# KiCad board brew-keeb.kicad_pcb (continued)
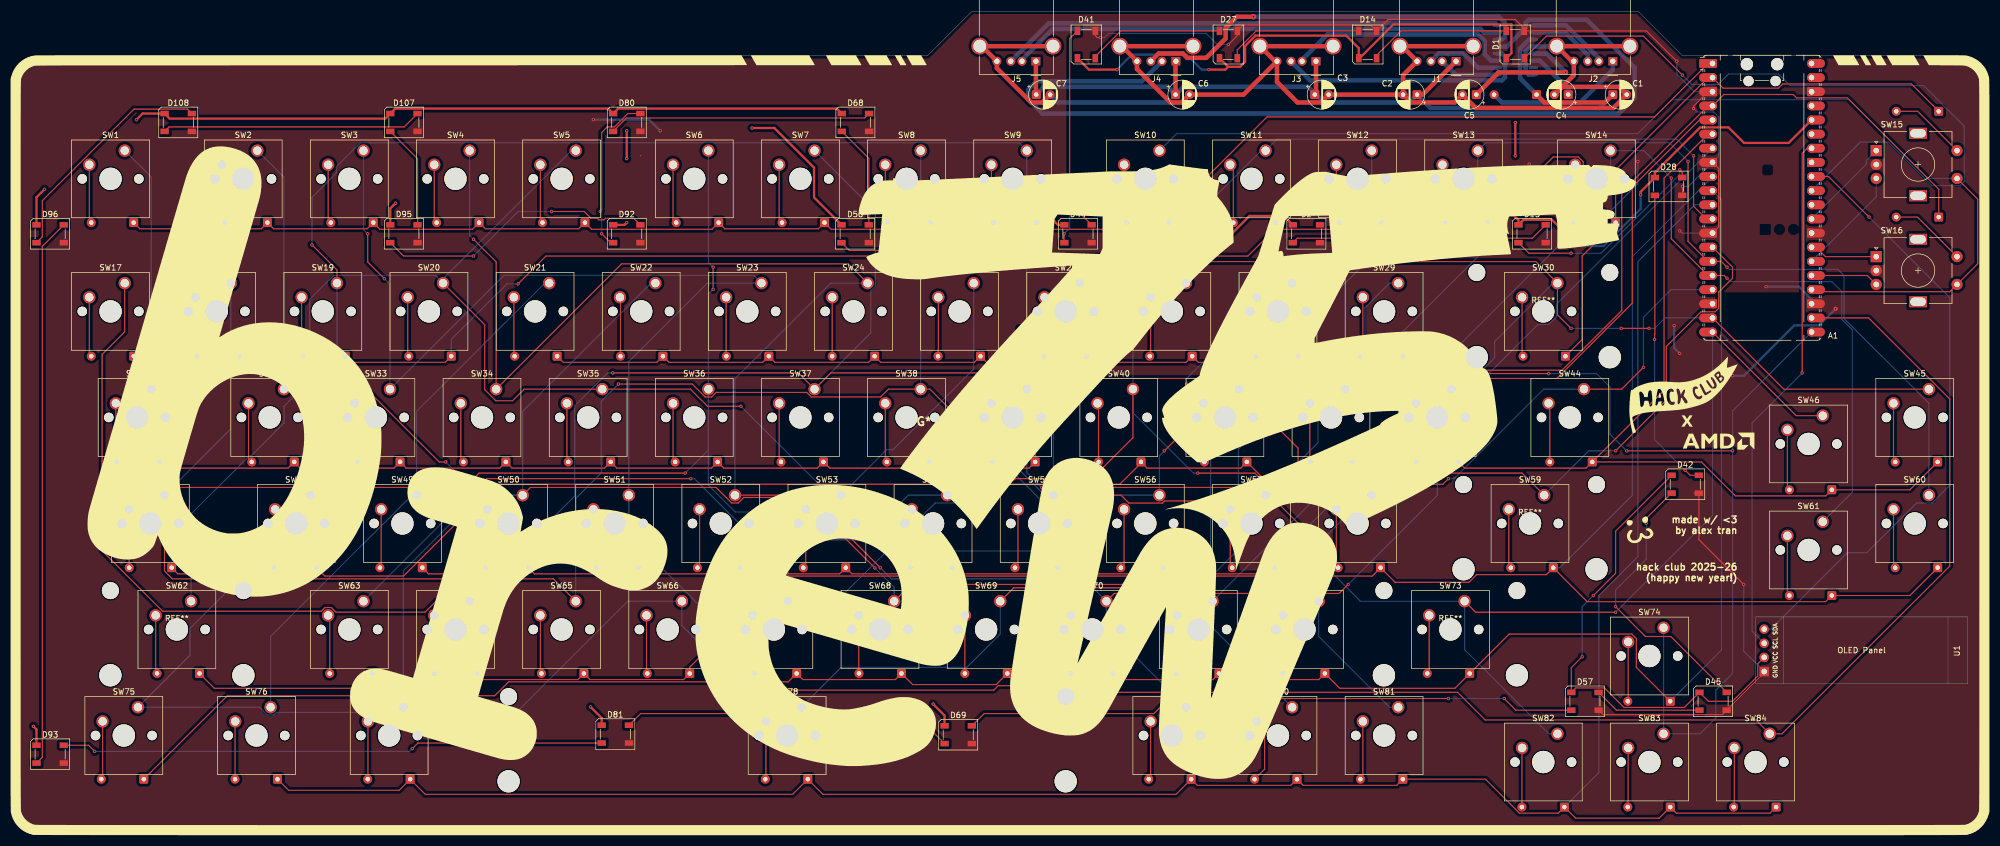
[diagram p0: board, top side]
## Nets (continued)
ROW 9: A1.11 D110.1 D111.1 D112.1 D113.1 D114.1 D115.1 D116.1 D117.1 D118.1
SCL: A1.34 U1.3
SDA: A1.32 U1.4
Net-(D1-DOUT): D1.4 D14.2
Net-(D4-A): D4.2 SW1.2
Net-(D5-A): D5.2 SW2.2
Net-(D6-A): D6.2 SW3.2
Net-(D7-A): D7.2 SW4.2
Net-(D8-A): D8.2 SW5.2
Net-(D9-A): D9.2 SW6.2
Net-(D10-A): D10.2 SW7.2
Net-(D11-A): D11.2 SW8.2
Net-(D12-A): D12.2 SW9.2
Net-(D13-A): D13.2 SW10.2
Net-(D14-DOUT): D14.4 D27.2
Net-(D15-DIN): D15.2 D28.4
Net-(D15-DOUT): D2.2 D15.4
Net-(D17-A): D17.2 SW11.2
Net-(D18-A): D18.2 SW12.2
Net-(D19-A): D19.2 SW13.2
Net-(D20-A): D20.2 SW14.2
Net-(D21-A): D21.2 SW20.2
Net-(D22-A): D22.2 SW30.2
Net-(D23-A): D23.2 SW17.2
Net-(D24-A): D24.2 SW18.2
Net-(D25-A): D25.2 SW19.2
Net-(D27-DOUT): D27.4 D41.2
Net-(D28-DIN): D28.2 D42.4
Net-(D30-A): D30.2 J2.1
Net-(D31-A): D31.2 SW21.2
Net-(D32-A): D32.2 SW22.2
Net-(D33-A): D33.2 SW23.2
Net-(D34-A): D34.2 SW24.2
Net-(D35-A): D35.2 SW25.2
Net-(D36-A): D36.2 SW26.2
Net-(D37-A): D37.2 SW27.2
Net-(D38-A): D38.2 SW28.2
Net-(D39-A): D39.2 SW29.2
Net-(D41-DOUT): D41.4 D44.2
Net-(D42-DIN): D42.2 D45.4
Net-(D44-DOUT): D44.4 D56.2
Net-(D45-DIN): D45.2 D57.4
Net-(D47-A): D47.2 SW31.2
Net-(D48-A): D48.2 SW32.2
Net-(D49-A): D49.2 SW33.2
Net-(D50-A): D50.2 SW34.2
Net-(D51-A): D51.2 SW35.2
Net-(D52-A): D52.2 SW36.2
Net-(D53-A): D53.2 SW37.2
Net-(D54-A): D54.2 SW38.2
Net-(D55-A): D55.2 SW39.2
Net-(D56-DOUT): D56.4 D68.2
Net-(D57-DIN): D57.2 D69.4
Net-(D59-A): D59.2 SW40.2
Net-(D60-A): D60.2 SW41.2
Net-(D61-A): D61.2 SW42.2
Net-(D62-A): D62.2 SW43.2
Net-(D63-A): D63.2 SW44.2
Net-(D64-A): D64.2 SW45.2
Net-(D65-A): D65.2 SW46.2
Net-(D66-A): D66.2 SW47.2
Net-(D67-A): D67.2 SW48.2
Net-(D68-DOUT): D68.4 D80.2
Net-(D69-DIN): D69.2 D81.4
Net-(D71-A): D71.2 SW49.2
Net-(D72-A): D72.2 SW50.2
Net-(D73-A): D73.2 SW51.2
Net-(D74-A): D74.2 SW52.2
Net-(D75-A): D75.2 SW53.2
Net-(D76-A): D76.2 SW54.2
Net-(D77-A): D77.2 SW55.2
Net-(D78-A): D78.2 SW56.2
Net-(D79-A): D79.2 SW57.2
Net-(D80-DOUT): D80.4 D92.2
Net-(D81-DIN): D81.2 D93.4
Net-(D83-A): D83.2 SW58.2
Net-(D84-A): D84.2 SW59.2
Net-(D85-A): D85.2 SW60.2
Net-(D86-A): D86.2 SW61.2
Net-(D87-A): D87.2 SW62.2
Net-(D88-A): D88.2 SW63.2
Net-(D89-A): D89.2 SW64.2
Net-(D90-A): D90.2 SW65.2
Net-(D91-A): D91.2 SW66.2
Net-(D92-DOUT): D92.4 D95.2
Net-(D93-DIN): D93.2 D96.4
Net-(D98-A): D98.2 SW67.2
Net-(D99-A): D99.2 SW68.2
Net-(D100-A): D100.2 SW69.2
Net-(D101-A): D101.2 SW70.2
Net-(D102-A): D102.2 SW71.2
Net-(D103-A): D103.2 SW72.2
Net-(D104-A): D104.2 SW73.2
Net-(D105-A): D105.2 SW74.2
Net-(D106-A): D106.2 SW75.2
Net-(D107-DIN): D95.4 D107.2
Net-(D107-DOUT): D107.4 D108.2
Net-(D108-DOUT): D96.2 D108.4
Net-(D110-A): D110.2 SW76.2
Net-(D111-A): D111.2 SW77.2
Net-(D112-A): D112.2 SW78.2
Net-(D113-A): D113.2 SW79.2
Net-(D114-A): D114.2 SW80.2
Net-(D115-A): D115.2 SW81.2
Net-(D116-A): D116.2 SW82.2
Net-(D117-A): D117.2 SW83.2
Net-(D118-A): D118.2 SW84.2
Net-(J1-D+): J1.3 U2.2
Net-(J1-D-): J1.2 U2.1
Net-(J3-D+): J3.3 U2.4
Net-(J3-D-): J3.2 U2.3
Net-(J4-D+): J4.3 U2.6
Net-(J4-D-): J4.2 U2.5
Net-(J5-D+): J5.3 U2.8
Net-(J5-D-): J5.2 U2.7
Net-(U2-VDD3): C5.1 U2.13
Net-(U2-VDD18): C4.1 U2.14

Pads without a net: A1 30 33 35 37 39 40; D2 4; SW15 MP; SW16 MP; U2 15

## Via types
v1: diameter 0.6, hole 0.3, Top to Bottom, 114 vias
v2: diameter 0.8, hole 0.3, Top to Bottom, 1 via
v3: diameter 1, hole 0.3, Top to Bottom, 2 vias

## Routing (per net, layer and track width the routed paths; a pad name or vN(x,y) marks a point on that pad's centre or on a via; arc(x,y) is an arc through that point)
+3.3V: length 482.4
  Top w0.2: v1(284,43) 288,47 288,54.55 D42.1 ; U1.2 313.52,30.74 313.52,28.54 308.98,24 304.65,24 D45.1 300.35,22.9 289.5,22.9 286,26.4 280.85,26.4 D57.1 280.05,30.05 v1(282,32)
  Top w0.4: v1(198.5,137.5) 193.45,137.5 D41.1 ; D68.1 148.2,130.5 108.95,130.5 D80.1 107.15,130.5 68.95,130.5 D107.1 67.15,128.7 28.45,128.7 D108.1 23.6,129.6 v1(22.5,128.5) ; v1(280,106.5) 280,107.1 276.6,110.5 271.45,110.5 D15.1 270.55,110.45 v1(269.5,111.5) ; A1.36 319.05,124.32 311.05,124.32 308.27,127.1 303.15,127.1 295.05,119 D28.1 292.5,115.55 v1(292.5,115) ; 218.45,138 217.95,137.5 v1(215,137.5) ; 218.45,138 D27.1 ; 218.45,138 220.6,138 221.5,138.9 221.5,141.75 223.36,143.61 239.64,143.61 241.9,141.35 D14.1 242.05,139.55 248.1,145.6 269.3,145.6 269.3,140.45 D1.1 ; D2.1 228.45,111.2 222.28,111.2 218.08,107 v1(205.5,107) ; D56.1 144.12,114.53 144.12,119.88 137,127 v1(133,127) ; v1(6,116) 4.55,114.55 D96.1 ; v1(187,110.5) 187.9,109.6 D44.1 ; v1(110.5,126.5) v1(110.5,121.5) ; D95.1 68.05,112.55 v1(69,113.5) ; D92.1 110.1,109.6 v1(110.5,110) ; v1(4,19.5) 4.55,18.95 D93.1 ; v1(270,122) v1(270,128) ; D69.1 167.55,21.45 v1(165.5,23.5) ; D81.1 106,21 v1(104,23)
  Bottom w0.2: v1(284,43) 282,41 v1(282,32)
  Bottom w0.4: v1(198.5,137.5) 201.2,140.2 210.97,140.2 213.67,137.5 v1(215,137.5) ; v1(280,106.5) 280.7,105.8 285.83,105.8 292.5,112.47 v1(292.5,115)
+5V: length 164.1
  Top w0.8: J1.1 253.36,133 C2.1 ; C6.1 209,138.92 J4.1 ; C1.1 286.1,131.6 275.21,131.6 D30.1 ; J5.1 183.94,133.06 C7.1 ; 234.22,133 J3.1
  Bottom w0.2: 183.94,133.06 C7.1 ; 209,138.92 J4.1
  Bottom w0.8: C1.1 285.1,130.6 254.76,130.6 C2.1 250.96,131.6 235.62,131.6 232.82,134.4 210.4,134.4 C6.1 207.6,134.4 185.4,134.4 C7.1 ; U2.11 272.49,142.91 270.85,141.26 270.85,135.96 D30.1
GND: length 319.6
  Top w0.2: A1.3 304.59,133.52 302,130.93 v1(302,130.5) ; D41.3 194.6,143.6 194.95,143.25 v1(195.5,143.25) ; D68.3 154.4,126.4 ; v1(299,139) 293.55,144.45 D1.3 271.6,144.9 270,146.5 247.15,146.5 D14.3 244.05,145.5 221.15,145.5 D27.3 220.1,143.6 v1(218.5,142) ; D28.3 300,114.95 v1(300,116.5) ; A1.13 306.5,109.22 306.5,119.72 A1.8 ; v1(311,45) 302.95,53.05 D42.3 302.1,61.4 ; D107.3 73.4,126.4 ; 112.95,122.05 113,122 ; D2.3 235.6,106.4 ; D57.3 285.75,21.6 307.15,21.6 D45.3 314.67,29.12 U1.1
  Bottom w0.2: v1(195.5,143.25) 196.25,143.25 197,144 214.5,144 216.5,142 v1(218.5,142) ; A1.3 302.13,133.52 299,136.65 v1(299,139) ; v1(302,130.5) 302.62,129.88 305.62,129.88 306.5,129 306.5,121.93 A1.8 301.07,116.5 v1(300,116.5) ; A1.13 299.88,108.12 v1(299.5,108.5) ; A1.23 323.18,95.83 ; v1(272.5,120.5) v1(272.5,114) ; v1(281.5,106.5) 292,117 v1(292,121) ; v1(311,45) 311,33.02 U1.1
  Bottom w0.4: v1(299.5,86.5) 298.5,87.5 v1(298.5,91.5) ; v1(315,98.5) 320.9,98.5 323.18,96.23 A1.23 ; v1(309,82.5) 311.04,82.5 320.08,91.54 324.54,91.54 v2(327.5,94.5) ; v1(116.5,126.5) 114.5,128.5 v1(104.5,128.5)
GND1: length 271.3
  Top w0.8: J3.4 227.22,135.28 230.9,131.6 235.1,131.6 C3.2 C2.2 ; J3.4 221.22,133 C6.2 210.1,131.6 208.09,131.6 202.08,137.61 J4.4 199.37,141.71 J4.5 J4.5 ; J3.4 226.86,139 J3.5 J3.5 ; C2.2 249.86,136.5 J1.4 249.65,141.71 J1.5 J1.5 ; C2.2 251.26,131.6 259.1,131.6 C5.2 262.9,130.6 287.6,130.6 C1.2 288.6,134.4 278.4,134.4 C4.2 280.5,136.5 J2.4 280.14,139 J2.5 J2.5 ; J5.5 J5.5 174.23,141.71 J5.4 176.94,137.75 183.09,131.6 185.1,131.6 C7.2
  Bottom w0.2: 280.14,139 J2.4
  Bottom w0.8: C6.2 210.1,131.6 187.9,131.6 C7.2 ; U2.16 272.44,136.56 271.85,137.15 271.85,140.85 272.63,141.63 U2.12 277.36,141.63 J2.5 277.79,141.71
COL 1: length 567.8
  Top w0.2: v1(122,64) 85.36,64 82.39,61.03 SW49.1 71.37,62.43 29.3,62.43 25.15,66.59 SW31.1 ; A1.12 304.26,110.66 302,112.93 v1(302,122) ; SW40.1 201.36,71.36 194,64 v1(180,64) ; SW58.1 227.21,61.03 223.24,65 v1(213,65)
  Bottom w0.2: v1(180,64) 175.63,59.63 165.84,59.63 148.19,41.98 SW67.1 139.45,47.21 122.66,64 v1(122,64) ; SW76.1 46.58,35.68 71.93,61.03 SW49.1 72.77,76.1 95.8,99.13 SW21.1 ; SW1.1 25.15,118.18 SW31.1 ; v1(213,65) 212.2,65 201.36,75.84 SW40.1 201.36,99.91 224.39,122.94 SW11.1 227.23,125 299,125 v1(302,122)
COL 2: length 551
  Top w0.2: SW50.1 93.22,62.43 126.54,62.43 129.34,59.63 130.5,59.63 131.5,60.63 145.8,60.63 149.6,56.83 149.6,53.4 v1(155.03,47.97) ; A1.14 309,101.98 309,100.01 306.5,97.51 306.5,94.61 305.87,93.98 303.34,93.98 297.09,87.74 297.09,78.09 v1(288,69) ; SW32.1 63.77,80.08 76.85,67 v1(78,67) ; SW41.1 231,69.49 v1(231,65) ; SW59.1 271.21,65 243,65 v1(242,64) ; v1(210,45) 161.52,45 SW68.1
  Bottom w0.2: SW50.1 83.97,61.03 v1(78,67) ; SW50.1 91.82,76.1 114.85,99.13 SW22.1 ; SW50.1 84,61.03 70.39,47.42 SW77.1 ; v1(242,64) 232,64 v1(231,65) ; v1(288,69) 283.15,69 SW59.1 ; SW32.1 48.96,118.18 SW2.1 ; SW68.1 158.5,44.5 v1(155.03,47.97) ; SW12.1 244.22,103.89 SW41.1 220.41,74.22 215.29,69.1 215.29,50.29 v1(210,45)
COL 3: length 542.7
  Top w0.2: v1(214,45) 213.4,44.4 179.97,44.4 SW69.1 ; v1(67,99.93) 64,102.93 v1(64,108) ; v1(308,102) 306.96,103.04 A1.15 ; v1(301,121) 301,106.64 A1.15 ; v1(228,77) 231.08,80.08 SW42.1
  Bottom w0.2: SW42.1 263.27,103.89 SW13.1 264.67,124.34 297.66,124.34 v1(301,121) ; v1(308,102) 308.4,101.6 327.9,101.6 329,100.5 329,92.78 344.24,77.55 SW60.1 ; v1(228,77) 220.28,69.28 220.28,51.28 v1(214,45) ; SW3.1 63.25,108.75 v1(64,108) ; SW69.1 177.55,36.12 171.53,30.1 149,30.1 SW78.1 110.87,53.89 SW51.1 110.87,85.05 124.95,99.13 SW23.1 133.28,100.53 88.46,100.53 SW33.1 68.01,98.92 v1(67,99.93)
COL 4: length 519.4
  Top w0.2: v1(308,100) 307.5,100.5 A1.16 ; SW43.1 258.51,72.51 v1(256,70) ; v1(156,48) 150,54 150,57 145.97,61.03 SW52.1 ; A1.16 298,107.1 v1(298,118) ; v1(83,107) 87.06,102.94 SW34.1 109.58,102.6 150.26,102.6 SW24.1 ; SW70.1 198,43.38 238.38,43.38 v1(240,45)
  Bottom w0.2: SW52.1 129.92,81.92 147.13,99.13 SW24.1 ; v1(308,100) 308.6,99.4 326.8,99.4 328.6,97.6 328.6,92.62 330.5,90.72 330.5,61.58 SW61.1 ; SW4.1 82.3,107.7 v1(83,107) ; SW43.1 258.51,86.57 287.08,115.15 SW14.1 293.06,122.94 v1(298,118) ; v1(156,48) 158,46 192.58,46 SW70.1 196.6,37.22 SW79.1 ; v1(256,70) 256,61 v1(240,45)
COL 5: length 485.9
  Top w0.2: v1(160,51) 159,51 SW53.1 ; v1(258,64) 257,63 v1(239,63) ; v1(131,77) 125,77 121.92,80.08 SW35.1 92.08,80.08 90,78 87,78 85,80 85,91.67 SW20.1 ; SW44.1 289.08,80.08 v1(293,84)
  Bottom w0.2: SW44.1 275.08,80.08 259,64 v1(258,64) ; A1.17 297.96,97.96 293,93 v1(293,84) ; SW71.1 215.65,37.22 SW80.1 ; SW71.1 236.67,63 v1(239,63) ; SW71.1 213.23,44.4 195.51,44.4 188.91,51 v1(160,51) ; v1(131,77) 146.97,61.03 SW53.1 157.13,69.19 158.29,69.19 172.78,83.68 SW25.1 ; SW62.1 32.29,57.66 42.73,68.1 43.1,68.1 49,74 49,77 53.59,81.59 53.59,96.22 57.9,100.53 76.13,100.53 SW20.1 77.53,99.91 100.56,122.94 SW5.1
COL 6: length 518.6
  Top w0.2: v1(289,91) v1(294,91) ; SW26.1 195.71,103 273.69,103 SW30.1 277.56,93.44 v1(280,91) ; v1(233,53) v1(233,49) ; v1(81,62) 84,65 v1(121,65) ; A1.19 318.2,80.08 SW45.1 ; v1(126,102) v1(126,98)
  Bottom w0.2: v1(121,65) 125.16,69.16 SW36.1 ; SW26.1 191.05,99.13 168.02,76.1 SW54.1 161.03,61.03 153,53 141,53 136,58 130,58 125.16,62.84 SW36.1 ; v1(126,102) 125.16,102.84 SW6.1 ; v1(233,53) 233,55.6 237.29,59.89 238.89,59.89 253.62,74.62 253.62,75.97 255,77.35 257.92,77.35 266.29,85.71 266.29,88.64 276.78,99.13 SW30.1 ; v1(280,91) v1(289,91) ; SW36.1 125.16,97.16 v1(126,98) ; SW81.1 247.43,22.93 234.7,35.66 SW72.1 233,43.68 v1(233,49) ; v1(294,91) 295,91 296.88,92.88 A1.19 ; v1(81,62) 81,59.73 SW63.1
COL 7: length 603.1
  Top w0.2: SW64.1 76.26,41.98 74.3,40.02 58.3,40.02 57.48,40.84 56.32,40.84 55.66,40.18 27.18,40.18 16.33,51.04 16.33,86.33 20.38,90.39 SW17.1 ; A1.20 320.42,75.32 SW46.1 ; v1(200.76,96) 203.89,99.13 SW27.1 ; SW55.1 199.21,61.03 200.62,59.62 206.7,59.62 207.07,60 219.29,60 219.66,59.63 227.37,59.63 v1(236,51) ; v1(177,83) 147.13,83 SW37.1 141.29,83 v1(108,83) ; SW73.1 262.87,40 v1(288,40)
  Bottom w0.2: v1(288,40) 305.39,57.4 A1.20 ; SW82.1 276,18.17 260.89,33.28 SW73.1 242.17,41.98 236,48.15 v1(236,51) ; SW37.1 154.32,90.19 154.32,97.73 155.14,98.55 155.14,112.02 SW7.1 ; v1(177,83) 177.42,82.58 177.42,69.13 185.52,61.03 SW55.1 187.07,82.31 v1(200.76,96) ; v1(108,83) 107.05,83 101.16,77.11 101.16,60.84 SW64.1
COL 8: length 601.2
  Top w0.2: SW47.1 27.53,47.4 28.92,46 97.33,46 SW65.1 ; v1(309,69) v1(290,69) ; v1(109,81) 122.26,81 124.58,78.68 125.74,78.68 126.56,79.5 142.81,79.5 143.63,78.68 156.07,78.68 157.47,80.08 SW38.1 164.92,80.08 v1(170,75) ; v1(222,83) 222.12,82.88 v1(276,82.88) ; v1(207,69) 211,73 v1(211,81)
  Bottom w0.2: v1(276,82.88) 284.58,82.88 287,80.46 287,72 v1(290,69) ; v1(222,83) 222,92 229.13,99.13 SW28.1 224.14,99.13 221.11,96.1 221.11,92.11 211,82 v1(211,81) ; v1(207,69) 206.12,68.12 SW56.1 189.05,61.03 187.65,59.63 185.37,59.63 v1(170,75) ; SW8.1 SW38.1 ; SW47.1 39.44,72.94 SW18.1 ; v1(109,81) 109,80.99 105.92,77.91 105.92,65.04 101.35,60.46 SW65.1 ; A1.21 309,76.17 309,29 306,26 306,21 303.17,18.17 SW83.1 SW74.1
COL 9: length 817.4
  Top w0.2: v1(185,62.4) 185.03,62.43 223.77,62.43 SW57.1 ; v1(54,106) 58.48,101.52 SW19.1 ; A1.22 333.41,92.88 347.98,78.32 347.98,48.28 317.86,18.17 SW84.1 313.19,20.64 264.59,20.64 259.62,25.61 191.16,25.61 189.97,26.8 177.18,26.8 176.38,26 v1(132,26) ; v1(181,91) v1(181,86)
  Bottom w0.2: v1(185,62.4) 182.31,65.09 SW39.1 181,81.39 v1(181,86) ; SW57.1 234.57,70.43 234.57,79.94 243,88.37 243,94.7 247.43,99.13 SW29.1 ; SW19.1 58.48,65.79 SW48.1 53.72,55.17 52.16,53.6 48.6,53.6 32.1,37.1 32.1,32.27 SW75.1 44.6,22.93 46,21.53 47.16,21.53 47.63,22 64.41,22 64.88,21.53 90.21,21.53 110.67,41.98 SW66.1 120.4,37.6 v1(132,26) ; v1(54,106) 54,114.54 58.36,118.89 58.36,120.03 62.67,124.34 180.91,124.34 SW9.1 182.31,92.31 v1(181,91)
COL 10: length 200.9
  Top w0.2: SW15.S1 353,114.23 353,102.61 SW16.S1 347.98,97.59 324.35,97.59 A1.24
  Bottom w0.2: SW10.1 209.18,126 292,126 298.08,132.08 329.92,132.08 344.06,117.94 SW15.S1
IN+: length 12.6
  Bottom w0.8: U2.10 278.96,144.18 283,140.13 J2.3
IN-: length 14.7
  Bottom w0.8: J2.2 285,139.55 279.1,145.44 U2.9
KNB-1-A: length 17.1
  Bottom w0.2: A1.29 333,120.49 333,121.16 SW15.A
KNB-1-B: length 19.7
  Bottom w0.2: A1.26 334.79,114.65 SW15.B
KNB-1-OUT: length 13.8
  Top w0.2: D40.2 342.18,111 SW16.S2
KNB-2-A: length 11.5
  Top w0.2: A1.27 325.67,103.89 SW16.A
KNB-2-B: length 11.5
  Top w0.2: A1.25 333.18,100.5 SW16.B
KNB-2-OUT: length 13.8
  Top w0.2: SW15.S2 342.23,130 D26.2
LED: length 133.4
  Top w0.2: v1(300,136.5) 292.99,143.51 275.56,143.51 D1.2
  Bottom w0.2: v1(300,136.5) 301.67,134.83 306.41,134.83 308.29,136.72 317.24,136.72 319.33,134.63 343.26,134.63 350.59,127.3 350.59,117.4 349.82,116.64 344.79,116.64 336.97,124.47 331.9,124.47 A1.31
ROW 1: length 303.8
  Top w0.2: A1.1 294.99,129 225.44,129 207.81,111.37 D13.1 206.61,108.8 185.2,108.8 D12.1 182.9,108.9 166.1,108.9 D11.1 163.8,108.8 147.2,108.8 D10.1 144.9,108.9 128.1,108.9 D9.1 125.8,108.8 104.2,108.8 D8.1 101.9,108.9 85.1,108.9 D7.1 82.8,108.8 66.2,108.8 D6.1 63.9,108.9 47.1,108.9 D5.1 44.9,108.9 23.1,108.9 D4.1
ROW 2: length 400.1
  Top w0.2: A1.2 307.29,134.17 317.24,134.17 317.99,134.91 341.09,134.91 D26.1 ; D22.1 282,89 282,104 D20.1 ; A1.2 288,119.47 D20.1 ; D20.1 282.19,115.81 282.19,120.92 281.32,121.8 276.8,121.8 D19.1 263.9,108.9 247.1,108.9 D18.1 244.8,108.8 228.2,108.8 D17.1 227,109 222,104 96,104 v1(91,99) ; D21.1 77.9,84.9 61.1,84.9 D25.1 58.9,84.9 42.1,84.9 D24.1 39.9,84.9 23.1,84.9 D23.1
  Bottom w0.2: v1(91,99) 89,99 79,89 D21.1
ROW 3: length 300.6
  Top w0.2: A1.4 307.44,133.02 319.87,133.02 320.48,132.42 329.58,132.42 346,116 D40.1 ; D31.1 99.1,84.9 115.9,84.9 D32.1 118.1,84.9 134.9,84.9 D33.1 137.1,84.9 153.9,84.9 D34.1 156.1,84.9 172.9,84.9 D35.1 175.1,84.9 191.9,84.9 D36.1 194.1,84.9 210.9,84.9 D37.1 213.1,84.9 229.9,84.9 D38.1 232.1,84.9 248.71,84.9 D39.1 252.33,83.48 278.37,83.48 289.1,94.21 289.1,115.49 A1.4
ROW 4: length 325.2
  Top w0.2: D47.1 27.72,65.9 49.71,65.9 D48.1 51.91,65.9 68.71,65.9 D49.1 70.91,65.9 87.71,65.9 D50.1 89.91,65.9 106.52,65.9 D51.1 108.72,65.9 125.71,65.9 D52.1 127.91,65.9 144.71,65.9 D53.1 146.91,65.9 163.71,65.9 D54.1 165.91,65.9 182.71,65.9 D55.1 183.81,70.81 195,82 277.45,82 291,95.55 291,116.4 303.04,128.44 A1.5
ROW 5: length 404.9
  Top w0.2: D63.1 303.4,67 309.5,60.9 325.71,60.9 D65.1 340.81,62 D64.1 ; D63.1 282.71,65.9 260.91,65.9 D62.1 258.71,65.9 241.91,65.9 D61.1 237.81,64 224.81,64 D60.1 220.71,65.9 203.91,65.9 D59.1 202.81,66.81 199,63 86.92,63 70.42,46.5 56.31,46.5 D67.1 53.71,46.9 29.91,46.9 D66.1 ; D63.1 296.69,79.88 296.69,118 A1.6
ROW 6: length 273.8
  Top w0.2: D71.1 74.91,46.9 91.71,46.9 D72.1 93.91,46.9 111.52,46.9 D73.1 113.72,46.9 129.71,46.9 D74.1 131.91,46.9 148.71,46.9 D75.1 150.91,46.9 167.9,46.9 D76.1 170.1,46.9 186.71,46.9 D77.1 188.91,46.9 205.71,46.9 D78.1 207.91,46.9 225.71,46.9 D79.1
  Bottom w0.2: D79.1 230.35,48 239.27,56.92 239.27,59.07 252.85,72.65 256.94,72.65 258.32,74.03 258.32,75.97 274.05,91.7 275.99,91.7 277.37,93.08 277.37,95.34 A1.7
ROW 7: length 415.5
  Top w0.2: D85.1 340.81,43 D86.1 325.71,41.9 282.91,41.9 D84.1 275.56,46.75 263.05,46.75 261.67,45.38 248.43,45.38 D83.1 244.31,46.5 138.17,46.5 121.81,30.13 D91.1 120.71,27.9 103.91,27.9 D90.1 101.71,27.9 84.72,27.9 D89.1 82.52,27.9 65.91,27.9 D88.1 62.14,26.33 36.48,26.33 D87.1
  Bottom w0.2: A1.9 291,103.89 291,61 278,48 D84.1
ROW 8: length 396.6
  Top w0.2: D106.1 38.81,25 86.8,25 89.3,27.5 139.5,27.5 D98.1 142.1,27.9 158.71,27.9 D99.1 161.81,27 176.81,27 D100.1 179.91,27.9 196.71,27.9 D101.1 198.91,27.9 215.71,27.9 D102.1 217.91,27.9 234.71,27.9 D103.1 238.48,26.33 259.14,26.33 D104.1 268.89,36.08 290.92,36.08 291.72,35.28 291.72,30.09 D105.1
  Bottom w0.2: A1.10 307,114.14 307,33.19 D105.1
ROW 9: length 403.6
  Top w0.2: D118.1 315.71,3.9 298.91,3.9 D117.1 295.81,3 280.81,3 D116.1 277.71,3.9 270.73,3.9 264.63,10 D115.1 248.71,8.9 231.91,8.9 D114.1 229.71,8.9 212.91,8.9 D113.1 209.09,7.28 145.72,7.28 D112.1 140.28,7.28 74.34,7.28 D111.1 69.62,8 49.81,8 D110.1
  Bottom w0.2: A1.11 302.2,113.2 292,103 292,50 285,43 285,11.19 D116.1
SCL: length 95.5
  Top w0.2: A1.34 322.38,123.36 321.5,122.49 v1(321.5,83)
  Bottom w0.2: U1.3 312.5,36.6 312.5,74 v1(321.5,83)
SDA: length 110.8
  Top w0.2: A1.32 326.22,118.28 v1(333.5,111)
  Bottom w0.2: v1(333.5,111) 347.98,96.52 347.98,62.8 344.82,59.63 342.01,59.63 333.07,50.69 329.59,50.69 315.87,36.97 U1.4
Net-(D1-DOUT): length 25.6
  Top w0.2: D14.2 245.1,140.07 249.48,144.45 D1.4
Net-(D4-A): length 10.5
  Top w0.2: D4.2 14.03,110.34 SW1.2
Net-(D5-A): length 10.6
  Top w0.2: SW2.2 37.85,110.53 D5.2
Net-(D6-A): length 10.6
  Top w0.2: D6.2 56.9,110.48 SW3.2
Net-(D7-A): length 10.6
  Top w0.2: D7.2 75.95,110.43 SW4.2
Net-(D8-A): length 10.6
  Top w0.2: SW5.2 95,110.38 D8.2
Net-(D9-A): length 10.6
  Top w0.2: D9.2 118.81,110.57 SW6.2
Net-(D10-A): length 10.6
  Top w0.2: SW7.2 137.86,110.52 D10.2
Net-(D11-A): length 10.6
  Top w0.2: D11.2 156.91,110.47 SW8.2
Net-(D12-A): length 10.6
  Top w0.2: SW9.2 175.96,110.42 D12.2
Net-(D13-A): length 10.6
  Top w0.2: D13.2 199.77,110.42 SW10.2
Net-(D14-DOUT): length 24.7
  Top w0.2: D14.4 223.49,144.45 220.1,141.06 D27.2
Net-(D15-DIN): length 38
  Top w0.2: v1(299.5,119.5) 299.95,119.05 D28.4 ; D15.2 272.45,104.5 v1(280,104.5)
  Bottom w0.2: v1(299.5,119.5) 299.5,118.65 285.35,104.5 v1(280,104.5)
Net-(D15-DOUT): length 46.7
  Top w0.2: D15.4 273.05,107.2 230.85,107.2 D2.2
Net-(D17-A): length 10.6
  Top w0.2: SW11.2 219.38,119.84 D17.2
Net-(D18-A): length 10.6
  Top w0.2: SW12.2 237.87,110.51 D18.2
Net-(D19-A): length 10.6
  Top w0.2: SW13.2 256.92,110.46 D19.2
Net-(D20-A): length 10.5
  Top w0.2: 280.74,120.4 280.74,110.36 D20.2
Net-(D21-A): length 10.7
  Top w0.2: SW20.2 71.19,86.19 D21.2
Net-(D22-A): length 10.7
  Top w0.2: SW30.2 271.21,86.17 D22.2
Net-(D23-A): length 10.7
  Top w0.2: SW17.2 14.03,86.34 D23.2
Net-(D24-A): length 10.7
  Top w0.2: D24.2 33.09,86.3 SW18.2
Net-(D25-A): length 10.7
  Top w0.2: D25.2 52.14,86.25 SW19.2
Net-(D27-DOUT): length 24.5
  Top w0.2: D41.2 194.6,139.85 199.2,144.45 D27.4
Net-(D28-DIN): length 54.5
  Top w0.2: v1(295,89) 295,90 295.05,90.05 D28.2 ; D42.4 301.4,64.6 v1(300.5,65.5)
  Bottom w0.2: v1(295,89) 295,71 v1(300.5,65.5)
Net-(D30-A): length 25.9
  Bottom w0.8: J2.1 287.5,137.45 281.65,131.6 267.59,131.6 D30.2
Net-(D31-A): length 10.7
  Top w0.2: D31.2 90.23,86.14 SW21.2
Net-(D32-A): length 10.6
  Top w0.2: D32.2 109.38,96.5 SW22.2
Net-(D33-A): length 10.6
  Top w0.2: SW23.2 128.34,86.05 D33.2
Net-(D34-A): length 10.6
  Top w0.2: 147.38,96.59 147.38,96.58 D34.2
Net-(D35-A): length 10.6
  Top w0.2: SW25.2 166.44,86.06 D35.2
Net-(D36-A): length 10.6
  Top w0.2: SW26.2 185.49,86.11 D36.2
Net-(D37-A): length 10.7
  Top w0.2: SW27.2 204.53,86.16 D37.2
Net-(D38-A): length 10.7
  Top w0.2: D38.2 223.59,86.2 SW28.2
Net-(D39-A): length 10.8
  Top w0.2: SW29.2 242.63,86.44 D39.2
Net-(D41-DOUT): length 39.1
  Top w0.2: D44.2 189,106.45 v1(189,108) ; D41.4 190,143.05 v1(190,113)
  Bottom w0.2: v1(189,108) 190,109 v1(190,113)
Net-(D42-DIN): length 50.9
  Top w0.2: v1(293.5,56) 293.5,56.85 D42.2 ; v1(288,41) 293.36,35.64 297.91,35.64 D45.4
  Bottom w0.2: v1(288,41) 288,44 293.5,49.5 v1(293.5,56)
Net-(D44-DOUT): length 49.4
  Top w0.2: v1(164.5,105) 150.45,105 D56.2 ; v1(177.5,112) 191.55,112 D44.4
  Bottom w0.2: v1(164.5,105) 171.5,112 v1(177.5,112)
Net-(D45-DIN): length 19.4
  Top w0.2: D57.4 288.15,22.4 D45.2
Net-(D47-A): length 10.6
  Top w0.2: D47.2 18.8,67.2 SW31.2
Net-(D48-A): length 10.8
  Top w0.2: D48.2 42.61,67.58 SW32.2
Net-(D49-A): length 10.8
  Top w0.2: SW33.2 61.66,67.53 D49.2
Net-(D50-A): length 10.7
  Top w0.2: D50.2 80.71,67.48 SW34.2
Net-(D51-A): length 10.6
  Top w0.2: D51.2 99.76,67.24 SW35.2
Net-(D52-A): length 10.7
  Top w0.2: SW36.2 118.81,67.38 D52.2
Net-(D53-A): length 10.7
  Top w0.2: SW37.2 137.86,67.33 D53.2
Net-(D54-A): length 10.7
  Top w0.2: SW38.2 156.91,67.28 D54.2
Net-(D55-A): length 10.6
  Top w0.2: SW39.2 175.96,67.23 D55.2
Net-(D56-DOUT): length 18.8
  Top w0.2: D68.2 153.95,121.55 D56.4
Net-(D57-DIN): length 110.5
  Top w0.2: v1(268,24.5) 270.1,22.4 D57.2 ; v1(258,24.5) 207.82,24.5 205.12,21.79 174.64,21.79 D69.4
  Bottom w0.2: v1(258,24.5) v1(268,24.5)
Net-(D59-A): length 10.6
  Top w0.2: SW40.2 195.19,77.36 D59.2
Net-(D60-A): length 10.6
  Top w0.2: D60.2 214.19,77.41 SW41.2
Net-(D61-A): length 10.6
  Top w0.2: SW42.2 233.11,67.08 D61.2
Net-(D62-A): length 10.6
  Top w0.2: SW43.2 252.16,67.03 D62.2
Net-(D63-A): length 10.6
  Top w0.2: SW44.2 276.19,77.32 D63.2
Net-(D64-A): length 10.7
  Top w0.2: SW45.2 337.88,67.31 D64.2
Net-(D65-A): length 10.9
  Top w0.2: SW46.2 318.83,62.35 D65.2
Net-(D66-A): length 10.5
  Top w0.2: D66.2 21.18,48.01 SW47.2
Net-(D67-A): length 10.6
  Top w0.2: SW48.2 47.37,48.18 D67.2
Net-(D68-DOUT): length 47.3
  Top w0.2: D80.2 110.45,128.8 153.2,128.8 D68.4
Net-(D69-DIN): length 59.7
  Top w0.2: D81.4 112.99,21.79 140.99,21.79 143.73,19.05 164.9,19.05 D69.2
Net-(D71-A): length 10.6
  Top w0.2: SW49.2 66.42,48.23 D71.2
Net-(D72-A): length 10.6
  Top w0.2: D72.2 85.47,48.28 SW50.2
Net-(D73-A): length 10.7
  Top w0.2: D73.2 104.52,48.48 SW51.2
Net-(D74-A): length 10.6
  Top w0.2: D74.2 123.57,48.38 SW52.2
Net-(D75-A): length 10.7
  Top w0.2: D75.2 142.62,48.43 SW53.2
Net-(D76-A): length 10.6
  Top w0.2: SW54.2 161.67,48.29 D76.2
Net-(D77-A): length 10.7
  Top w0.2: SW55.2 180.72,48.53 D77.2
Net-(D78-A): length 10.7
  Top w0.2: SW56.2 199.77,48.58 D78.2
Net-(D79-A): length 10.6
  Top w0.2: SW57.2 218.82,48.37 D79.2
Net-(D80-DOUT): length 29.5
  Top w0.2: v1(105.75,112) 106,112.25 106,126.2 107,127.2 108.28,127.2 110.68,129.6 D80.4 ; v1(106,108) 107.6,106.4 D92.2
  Bottom w0.2: v1(106,108) 106,111.75 v1(105.75,112)
Net-(D81-DIN): length 97.6
  Top w0.2: D81.2 73,16.5 v1(72,15.5) ; D93.4 13.9,16.1 v1(15,15)
  Bottom w0.2: v1(72,15.5) 71.5,15 v1(15,15)
Net-(D83-A): length 10.6
  Top w0.2: SW58.2 237.87,48.32 D83.2
Net-(D84-A): length 10.6
  Top w0.2: D84.2 268.83,48.36 SW59.2
Net-(D85-A): length 10.6
  Top w0.2: D85.2 337.88,48.31 SW60.2
Net-(D86-A): length 10.9
  Top w0.2: SW61.2 318.83,43.35 D86.2
Net-(D87-A): length 10.5
  Top w0.2: D87.2 25.94,29.25 SW62.2
Net-(D88-A): length 10.6
  Top w0.2: SW63.2 57.19,39.15 D88.2
Net-(D89-A): length 10.5
  Top w0.2: D89.2 75.95,29.05 SW64.2
Net-(D90-A): length 10.5
  Top w0.2: SW65.2 95,29.19 D90.2
Net-(D91-A): length 10.5
  Top w0.2: SW66.2 114.05,29.14 D91.2
Net-(D92-DOUT): length 50.4
  Top w0.2: D95.2 70.45,104 v1(83,104) ; D92.4 111.76,110.79 106.7,110.79 106.41,110.5 105.48,110.5 105.2,110.79 104.1,110.79 102.89,112 v1(97,112)
  Bottom w0.2: v1(83,104) 91,112 v1(97,112)
Net-(D93-DIN): length 98.7
  Top w0.2: D96.4 5.6,105.75 5.6,13.95 D93.2
Net-(D98-A): length 10.6
  Top w0.2: D98.2 133.1,29.28 SW67.2
Net-(D99-A): length 10.5
  Top w0.2: D99.2 152.15,29.04 SW68.2
Net-(D100-A): length 10.4
  Top w0.2: SW69.2 171.19,39.43 D100.2
Net-(D101-A): length 10.5
  Top w0.2: SW70.2 190.19,39.38 D101.2
Net-(D102-A): length 10.5
  Top w0.2: D102.2 209.3,29.11 SW71.2
Net-(D103-A): length 10.5
  Top w0.2: D103.2 228.35,29.16 SW72.2
Net-(D104-A): length 10.6
  Top w0.2: SW73.2 254.54,29.35 D104.2
Net-(D105-A): length 10.7
  Top w0.2: SW74.2 290.26,24.07 D105.2
Net-(D106-A): length 10.5
  Top w0.2: D106.2 16.42,10.23 SW75.2
Net-(D107-DIN): length 18.8
  Top w0.2: D107.2 72.95,121.5 D95.4
Net-(D107-DOUT): length 46.7
  Top w0.2: D107.4 70.55,127.2 28.35,127.2 D108.2
Net-(D108-DOUT): length 42
  Top w0.2: D108.4 31.65,130.4 22.05,130.4 5.6,113.95 5.6,107.45 D96.2
Net-(D110-A): length 10.4
  Top w0.2: D110.2 40.19,20.35 SW76.2
Net-(D111-A): length 10.4
  Top w0.2: D111.2 64.04,10.04 SW77.2
Net-(D112-A): length 10.4
  Top w0.2: SW78.2 135.48,10.1 D112.2
Net-(D113-A): length 10.5
  Top w0.2: SW79.2 204.53,10.34 D113.2
Net-(D114-A): length 11.7
  Top w0.2: SW80.2 225,18.97 225,11.81 D114.2
Net-(D115-A): length 10.6
  Top w0.2: D115.2 242.63,10.44 SW81.2
Net-(D116-A): length 10.6
  Top w0.2: SW82.2 271.19,15.61 D116.2
Net-(D117-A): length 10.7
  Top w0.2: D117.2 290.26,5.07 SW83.2
Net-(D118-A): length 10.7
  Top w0.2: D118.2 309.31,5.12 SW84.2
Net-(J1-D+): length 13.5
  Bottom w0.8: U2.2 263.29,137.82 260.71,140.4 256.26,140.4 J1.3
Net-(J1-D-): length 10.9
  Bottom w0.8: U2.1 259.31,136.56 J1.2
Net-(J3-D+): length 45.6
  Bottom w0.2: U2.4 266.6,140.37
  Bottom w0.8: J3.3 233.17,135.55 267.6,135.55 268.15,136.11 268.15,139.85 267.63,140.37 U2.4
Net-(J3-D-): length 40.5
  Bottom w0.8: J3.2 231.72,139.25 236.28,143.81 263.3,143.81 264.53,142.58 264.53,140.19 265.63,139.09 U2.3
Net-(J4-D+): length 73.2
  Top w0.8: J4.3 205.98,140.4 210.31,140.4 211.1,139.61 214.51,139.61 218,143.1 218,145 220,147 v3(223,147)
  Bottom w0.8: U2.6 267.55,142.91 268.15,143.51 268.15,145.89 267.04,147 v3(223,147)
Net-(J4-D-): length 175.1
  Bottom w0.8: U2.5 268.49,141.63 271.85,145 271.85,145.89 272.4,146.45 282.81,146.45 291.4,137.85 291.4,132.42 288.58,129.6 185.09,129.6 182.6,132.09 182.6,133.91 184.09,135.4 202.98,135.4 J4.2
Net-(J5-D+): length 90.3
  Bottom w0.8: J5.3 186.25,145.81 266.38,145.81 U2.8
Net-(J5-D-): length 88.1
  Bottom w0.8: J5.2 181.44,139.25 187,144.81 263.71,144.81 264.35,144.18 U2.7
Net-(U2-VDD3): length 24.8
  Top w0.8: v3(279,137) 267,137 C5.1
  Bottom w0.8: U2.13 275.63,140.37 v3(279,137)
Net-(U2-VDD18): length 9.5
  Bottom w0.2: 273.4,139.09 U2.14
  Bottom w0.8: U2.14 274.4,139.09 279.5,134 C4.1

## Copper pours and planes (outline as drawn; the poured copper is in the pictures)
+3.3V on Bottom: 362,166.5 -5.5,167.5 -6,-4 366.5,-7.5
GND on Top: 363.5,167 -6.5,157 -5,-3 362.5,-7

## Text on the board
F.Silkscreen: made w/ <3 / by alex tran | hack club 2025-26 / (happy new year!) | X
